# Altium PCB e-puck3-coreboard.PcbDoc (part 6 of 7) (continued)
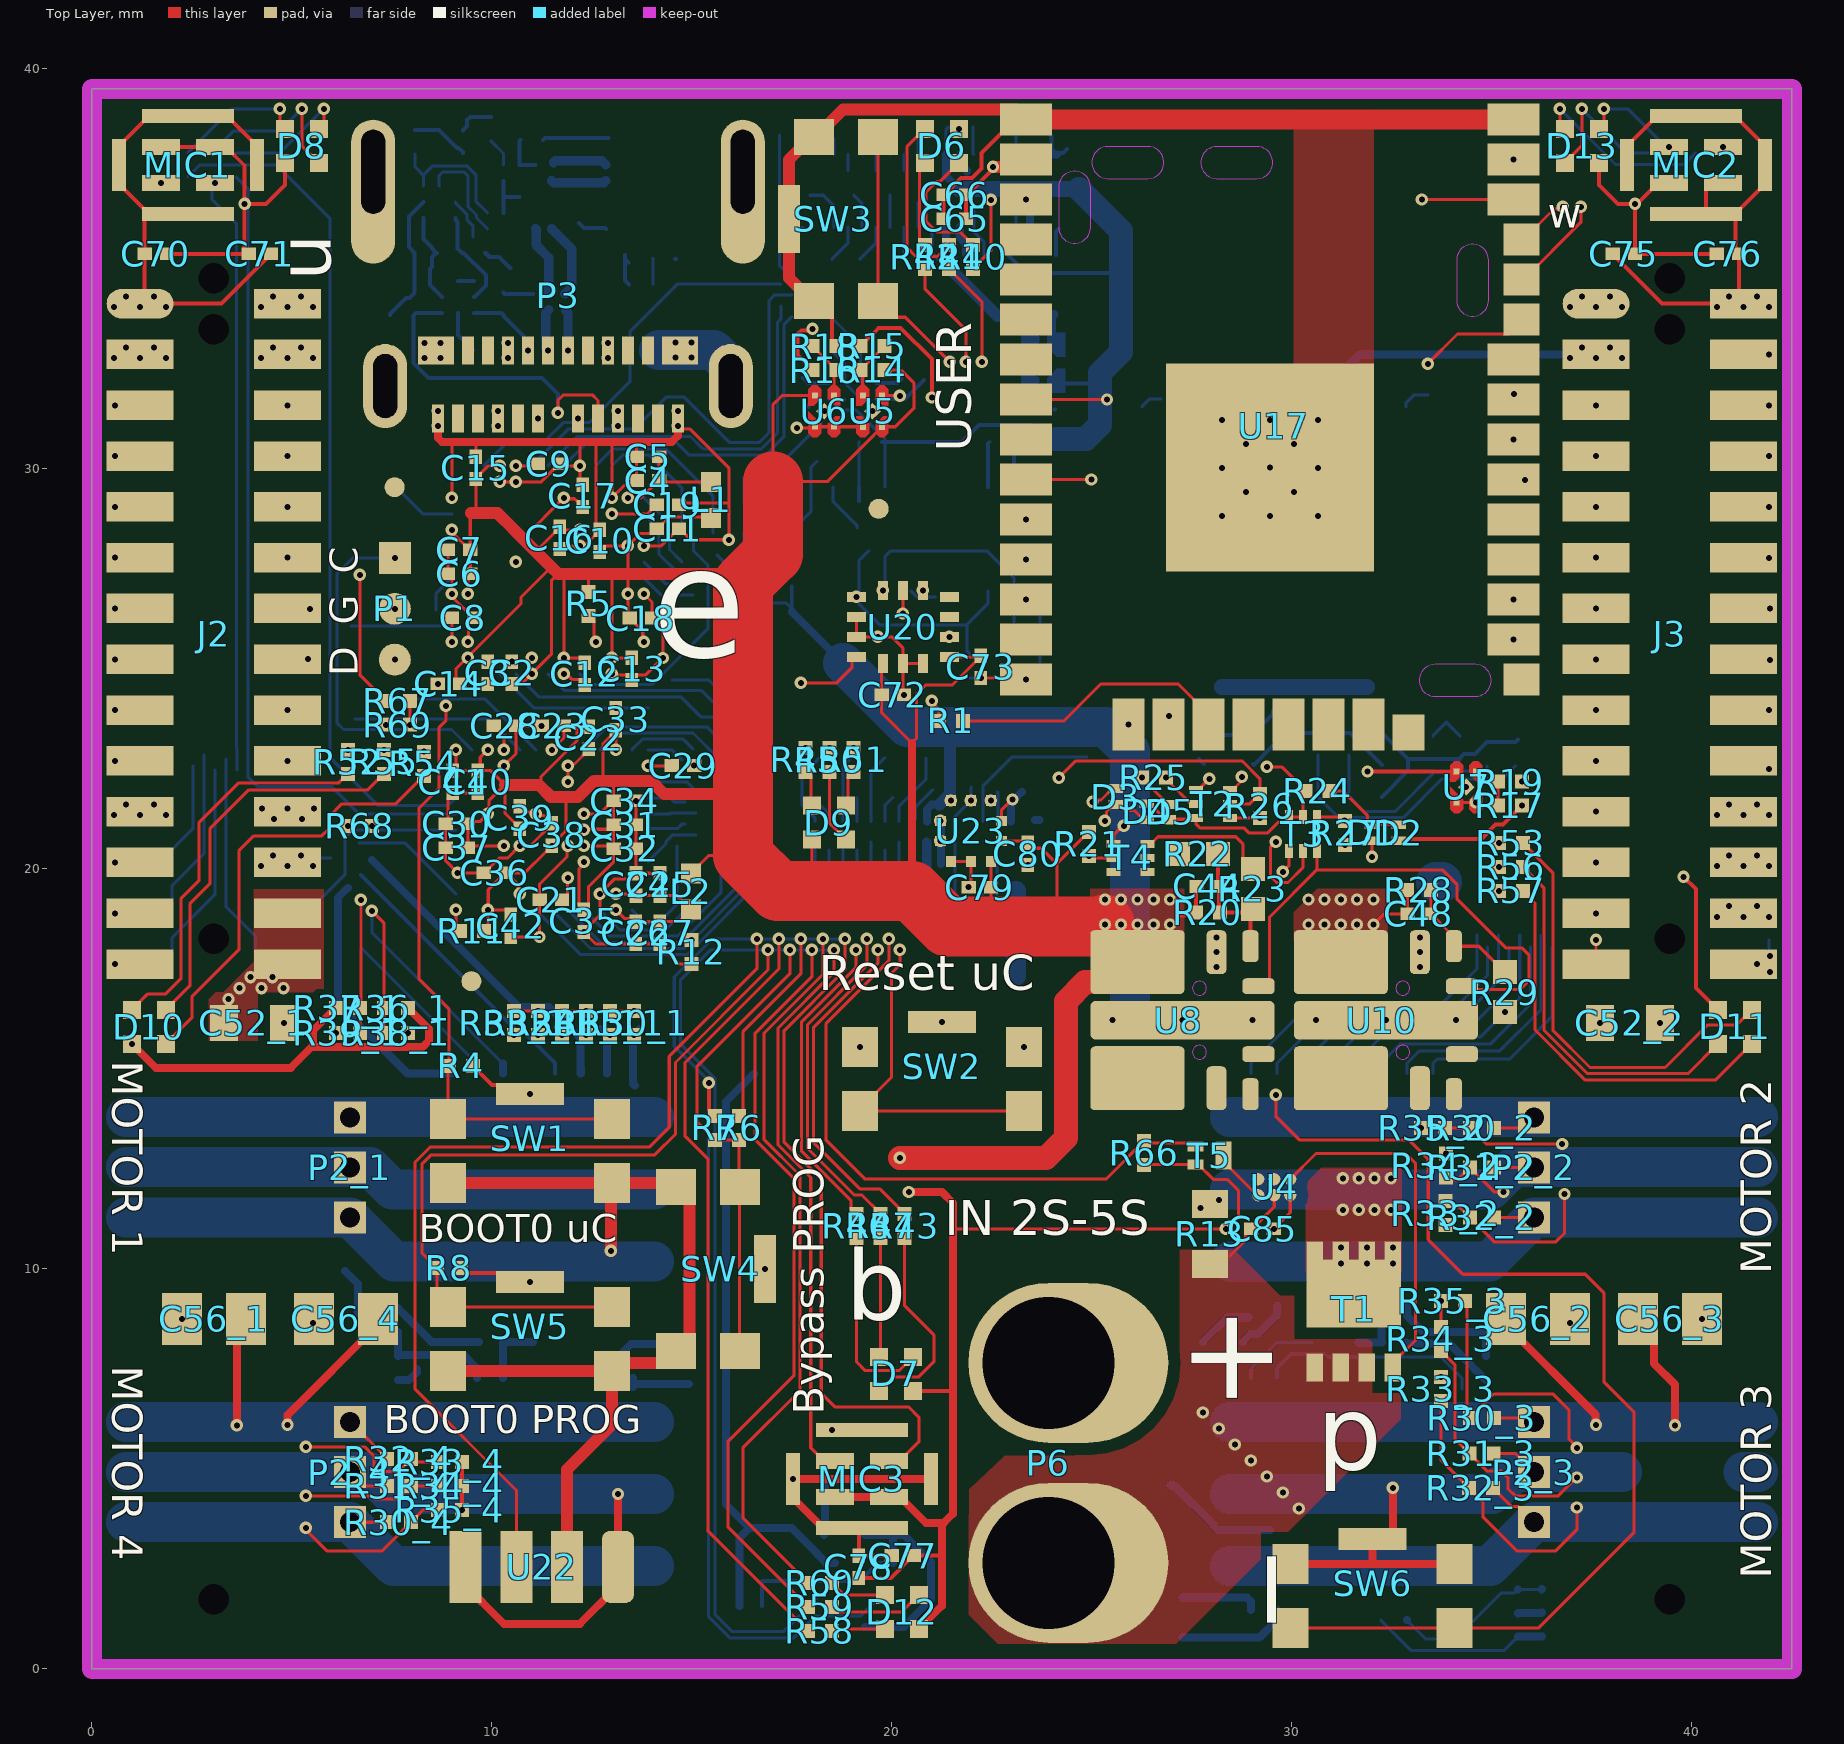
[diagram p0: Top Layer view]
## Nets (pads, with @x,y where several pads share a name; then routed paths per layer and width w, separated by ;. In a path a pad name is that pad's centre, name@x,y a point inside that pad or via, vN(x,y) a via of type N, cw(c..) or ccw(c..) an arc to the next point about the centre after c; other vN are vias at no path point) (continued)
  other v1: 37.25,39
  other v2: 37.25,39
  other v3: 37.25,39
  other v4: 37.25,39
  other v5: 37.25,39
  other v6: 37.25,39
  other v7: 37.25,39
  other v8: 37.25,39
NetD13_3: D13.3 R63.2 | length 4.6
  Top Layer w0.077: v9(36.7,39) 36.7,38.625 D13.3@36.825,38.5
  Bottom Layer w0.077: v9(36.7,39) 38.091,37.609 39.809,37.609 R63.2@40.1,37.9
  other v1: 36.7,39
  other v2: 36.7,39
  other v3: 36.7,39
  other v4: 36.7,39
  other v5: 36.7,39
  other v6: 36.7,39
  other v7: 36.7,39
  other v8: 36.7,39
NetD13_4: D13.4 R62.2 | length 2.7
  Top Layer w0.077: D13.4@37.675,38.5 37.8,38.625 v9(37.8,39)
  Bottom Layer w0.077: v9(37.8,39) 38.4,39 R62.2@39.5,37.9
  other v1: 37.8,39
  other v2: 37.8,39
  other v3: 37.8,39
  other v4: 37.8,39
  other v5: 37.8,39
  other v6: 37.8,39
  other v7: 37.8,39
  other v8: 37.8,39
NetJ1_2: J1.2 R76.1 | length 1.2
  Bottom Layer w0.077: J1.2@21.95,24.775 22.775,24.775 R76.1@23.05,25.05
NetP4_28: P4.28 R80.1 | length 1.1
  Bottom Layer w0.077: P4.28@22.75,36.04 22.75,35.937 23.019,35.668 23.182,35.668 R80.1@23.5,35.35
NetP5_28: P5.28 R78.2 | length 1
  Bottom Layer w0.077: R78.2@21.925,18.525 22.062,18.662 22.062,18.862 22.26,19.06 22.26,19.349 P5.28@22.275,19.365
NetR5_1: R5.1 U1.C10 | length 1.5
  Top Layer w0.077: R5.1@12.421,26.322 12.558,26.185 12.558,25.717 v3(12.6,25.675)
  Bot Mid Layer 2 w0.077: v4(12.599,25.275) v3(12.6,25.675)
  Top GND Plane w0.077: v4(12.599,25.275) v3(12.6,25.675)
  other v1: 12.6,25.675
  other v2: 12.6,25.675
  other v5: 12.599,25.275
  other v6: 12.599,25.275
  other v7: 12.599,25.275
  other v8: 12.599,25.275
  other v9: 12.6,25.675
NetR11_1: R11.1 U3.A11 | length 0.6
  Top Layer w0.077: v10(9.1,18.975) 9.1,18.54 R11.1@9.2,18.44
NetR12_1: R12.1 U3.N11 | length 2.2
  Bot Mid Layer 2 w0.077: v4(13.5,18.975) v3(13.9,18.975)
  Top GND Plane w0.077: v4(13.5,18.975) 14.24,18.975 v9(14.99,18.225)
  other v1: 13.9,18.975
  other v2: 13.9,18.975
  other v5: 13.5,18.975
  other v6: 13.5,18.975
  other v7: 13.5,18.975
  other v8: 13.5,18.975
NetR14_2: R14.2 R15.1 U5.2 | length 1.5
  Top Layer w0.077: U5.2@19.274,31.831 19.274,32.408 R14.2@19.215,32.467 R15.1@19.815,33.067
NetR16_2: R16.2 R18.1 U6.4 | length 1.5
  Top Layer w0.077: R18.1@18.015,33.067 R16.2@18.615,32.467 18.555,32.407 U6.4@18.555,31.832
NetR17_2: R17.2 R19.1 U7.4 | length 1.3
  Top Layer w0.077: U7.4@34.6,22.435 34.898,22.435 R19.1@35.153,22.18 R17.2@35.153,21.58
NetR23_2: R23.2 T4.6 | length 3.3
  Top Layer w0.077: T4.6@26.398,20.622 26.473,20.622 26.653,20.802 28.598,20.802 28.775,20.625 28.775,20.25 R23.2@29.025,20
NetR70_1: R70.1 U16.A4 | length 0.7
  Bottom Layer w0.077: R70.1@9.975,38.2 10.293,37.882 U16.A4@10.293,37.6
NetR71_1: R71.1 U14.A1 | length 0.7
  Bottom Layer w0.1: R71.1@12.175,36.15 12.3,36.025 12.825,36.025 U14.A1@12.85,36
NetR83_1: R83.1 U2.B2 | length 2.8
  Bot Mid Layer 1 w0.077: v2(18.225,31.175) 18.233,31.175 18.808,31.75 v2(18.816,31.75)
  Bottom Layer w0.077: R83.1@16.9,29.8 18.225,31.125 v2(18.225,31.175) ; U2.B2@18.816,31.716 v2(18.816,31.75)
  other v1: 18.225,31.175 18.816,31.75
NetT1_4: T1.4 U4.A1 | length 8.7
  Top Layer w0.077: U4.A1@29.96,12.24 30.605,12.885 32.845,12.885 33.09,12.64 33.09,8.215 T1.4@32.55,7.675
NetT3_3: T3.3 U8.9 U10.9 | length 12.9
  Top Layer w0.077: U8.9@29.165,17.065 29.284,17.065 29.441,17.222 29.441,18.791 30.625,19.975 ; T3.3@30.625,20.45 30.625,19.975 ; U10.9@34.25,17.065 34.327,16.988 35.713,16.988 35.925,17.2 35.925,17.85 35.75,18.025 35.35,18.025 34.125,19.25 34.125,19.614 33.764,19.975 30.625,19.975
NetT5_3: T5.3 U4.C2 | length 1.4
  Top Layer w0.077: T5.3@28.29,12.83 28.29,12.68 29.13,11.84 U4.C2@29.16,11.84
NetU1_H6: U1.H6 U1.J3 | length 1.6
  Bot Mid Layer 3 w0.077: v3(9.8,28.075) 9.8,28.05 10.493,27.357 10.655,27.357 10.973,27.675 v4(11,27.675)
  other v1: 11,27.675 9.8,28.075
  other v2: 11,27.675 9.8,28.075
  other v3: 11,27.675
  other v4: 9.8,28.075
NRST_3: C21.1 U3.H9 | length 0.7
  Top Layer w0.077: C21.1@11.725,19.195 C21.1@11.755,19.225 11.775,19.225 11.896,19.346 11.896,19.771 v10(11.9,19.775)
PE15_3: R9.1 U2.A1 U3.L3 | length 17.6
  Top Mid Layer 1 w0.077: v7(17.775,32.275) 17.775,31.615 17.928,31.461 17.928,25.547 18.275,25.2 18.275,24.168 19.4,23.043 v7(19.4,22.625)
  Bot Mid Layer 2 w0.077: v3(13.1,22.175) v4@13.117,22.157
  Bot Mid Layer 3 w0.077: v3(13.1,22.175) 13.117,22.157 15.382,22.157 16.636,22.157 17.104,22.625 v7(19.4,22.625)
  Bottom Layer w0.1: v7(17.775,32.275) 17.775,32.287 R9.1@17.787,32.275 17.912,32.15 U2.A1@18.416,32.15
  other v1: 13.1,22.175 17.775,32.275
  other v2: 13.1,22.175 17.775,32.275
  other v3: 17.775,32.275
  other v4: 13.1,22.175 17.775,32.275
  other v5: 19.4,22.625 17.775,32.275
  other v6: 19.4,22.625 17.775,32.275
PF0_2: SW3.2 U1.G11 | length 20.3
  Top Layer w0.077: SW3.2@19.65,38.3 SW3.2@19.65,34.2 20.062,33.789 20.336,33.789 v8(21.45,32.675)
  Top Mid Layer 1 w0.077: v7(21.45,27.45) v8(21.45,32.675)
  Bot Mid Layer 3 w0.077: v3(13,27.275) 21.247,27.275 21.422,27.45 v7(21.45,27.45)
  other v1: 13,27.275
  other v2: 13,27.275
  other v4: 13,27.275
  other v5: 21.45,27.45
  other v6: 21.45,27.45
  other v9: 21.45,32.675
PG8_3: R10.1 U2.D2 U3.G2 | length 16.2
  Bot Mid Layer 2 w0.077: v3(12.425,23.525) 14.218,25.318 14.218,25.602 16.14,27.525 17.425,27.525 18.082,28.182 18.632,28.182 18.821,28.371 v3(18.821,28.775)
  Bot Mid Layer 1 w0.077: v2(11.5,22.575) 12.425,23.5 v3(12.425,23.525) ; v3(18.821,28.775) 19.748,29.702 19.748,31.602 20.372,32.225 v2(20.8,32.225)
  Bottom Layer w0.1: U2.D2@19.616,31.75 20.325,31.75 v2(20.8,32.225)
  other v1: 11.5,22.575 20.8,32.225
PH0_2: U1.K12 X1.3 | length 7.6
  Bot Mid Layer 1 w0.077: v2(13.4,28.475) 14.2,29.275 17.376,29.275 17.975,29.874 17.975,30.034 v2(18.125,30.184)
  Bottom Layer w0.077: X1.3@17.499,28.377 17.499,28.452 17.975,28.928 17.975,30.034 v2(18.125,30.184)
  other v1: 13.4,28.475 18.125,30.184
POWER_MANAGEMENT.BAT+_INRUSH_LIMIT_1: R66.2 T5.1 U3.L7 | length 24.1
  Top Layer w0.077: v8(19.925,18.25) 19.925,17.7 18.35,16.125 18.35,13.225 19.332,12.243 25.353,12.243 R66.2@26.31,13.2 26.369,13.141 27.503,13.141 T5.1@27.59,13.055
  Top Mid Layer 2 w0.077: v3(13.1,20.575) 15.575,20.575 15.9,20.25 18.825,20.25 19.925,19.15 v8(19.925,18.25)
  Bot Mid Layer 3 w0.1: v3(13.1,20.575) v5@13.13,20.575
  other v1: 13.1,20.575
  other v2: 13.1,20.575
  other v4: 13.1,20.575
  other v5: 13.1,20.575
  other v6: 13.1,20.575
  other v7: 19.925,18.25
  other v9: 19.925,18.25
POWER_MANAGEMENT.BAT+_SENSE_1: U3.K11 U7.1 U7.2 | length 24.4
  Top Layer w0.077: U7.1@34.12,21.655 v8(34.6,21.655) 34.6,21.552 34.525,21.477
  Bot Mid Layer 1 w0.077: v2(15.097,19.225) 16.582,19.225 17.507,20.15 24.075,20.15 24.45,19.775 28.125,19.775 v4(29.35,21)
  Bot Mid Layer 3 w0.077: v4(29.35,21) 33.945,21 v8(34.6,21.655)
  Bottom Layer w0.077: U3.K11@12.7,18.975 13.204,18.471 14.343,18.471 v2(15.097,19.225)
  other v1: 15.097,19.225
  other v3: 29.35,21
  other v5: 34.6,21.655
  other v6: 34.6,21.655
  other v7: 34.6,21.655
  other v9: 34.6,21.655
POWER_MANAGEMENT.PRIORITY_TO_VBUS_1: R21.2 T4.2 U3.M7 | length 13.1
  Top Layer w0.077: v9(24.925,20.325) 24.978,20.272 T4.2@25.548,20.272
  Top GND Plane w0.077: v3(23.7,20.8) 24.175,20.325 v9(24.925,20.325)
  Bot Mid Layer 1 w0.077: v2(13.5,20.575) 13.75,20.825 14,20.825 14.357,20.468 14.357,20.464 14.597,20.225 15.675,20.225 16.575,21.125 23.4,21.125 23.7,20.825 v3(23.7,20.8)
  other v1: 13.5,20.575
  other v4: 23.7,20.8
  other v5: 23.7,20.8
  other v6: 23.7,20.8
  other v7: 23.7,20.8
  other v8: 23.7,20.8
POWER_MANAGEMENT.PWR_ON_1: R25.1 T2.2 U3.M2 | length 17.5
  Top Layer w0.077: R25.1@26.965,22.2 26.965,22.135 27.45,21.65 27.5,21.65 T2.2@27.525,21.625 ; T2.2@27.475,21.625 T2.2@27.525,21.625 ; T2.2@27.6,21.625 T2.2@27.525,21.625
  Top Mid Layer 1 w0.077: v7@26.6,24.1 v7(26.6,24.05) 26.6,22.565 26.854,22.311 v9(26.854,22.288)
  Bot Mid Layer 1 w0.077: v2(13.5,22.575) 15.871,24.946 20.339,24.946 20.51,25.118 23.845,25.118 24.537,24.425 26.225,24.425 v7(26.6,24.05)
  other v1: 13.5,22.575
  other v3: 26.6,24.05
  other v4: 26.6,24.05
  other v5: 26.6,24.05
  other v6: 26.6,24.05
  other v8: 26.854,22.288
POWER_MANAGEMENT.PWR_ON_DFU_1: R8.1 R27.1 SW5.1 T3.2 U3.C9 | length 47.3
  Top Layer w0.077: SW5.1@13,9.05 SW5.1@8.9,9.05 8.625,9.325 R8.1@8.625,10.025 8.25,10.4 8.25,12.613 8.487,12.85 14.075,12.85 14.59,13.365 14.59,15.16 16.9,17.47 v9(16.9,17.975) ; v9(29.6,20.675) 29.464,20.539 29.464,19.811 29.617,19.658 29.903,19.658 30.275,20.03 T3.2@30.275,20.45 T3.2@30.239,20.486
  Top Mid Layer 1 w0.077: v9(16.9,17.975) v7(16.9,19.15)
  Top GND Plane w0.077: v9(29.6,20.675) 30.394,20.675 30.469,20.6 v9(31.325,20.6)
  Top Mid Layer 2 w0.077: v3(9.9,19.775) 10.625,19.05 11.75,19.05 12.112,18.688 13.863,18.688 14.325,19.15 v7(16.9,19.15)
  Bot Mid Layer 3 w0.077: v9(16.9,17.975) 18.275,19.35 21.565,19.35 22.29,20.075 27.325,20.075 28.296,21.046 28.829,21.046 29.2,20.675 v9(29.6,20.675)
  other v1: 9.9,19.775
  other v2: 9.9,19.775
  other v4: 9.9,19.775
  other v5: 16.9,17.975 9.9,19.775 29.6,20.675
  other v6: 16.9,17.975 9.9,19.775 29.6,20.675
  other v7: 16.9,17.975 29.6,20.675
  other v8: 16.9,17.975 29.6,20.675
POWER_MANAGEMENT.VBUS_SENSE_1: U3.K9 U5.4 U6.1 U6.2 | length 19.4
  Top Layer w0.077: v9(17.625,31.025) 17.656,31.025 17.665,31.015 18.039,31.015 U6.1@18.075,31.052 ; U6.1@18.075,31.052 U5.4@19.274,31.051
  Top Mid Layer 1 w0.077: v9(17.625,31.025) 17.625,25.275 18.121,24.779 18.121,22.722 18.7,22.143 v7(18.7,19.775)
  Top Mid Layer 2 w0.077: v4(12.7,19.775) v7(18.7,19.775)
  other v1: 12.7,19.775
  other v2: 12.7,19.775
  other v3: 12.7,19.775
  other v5: 12.7,19.775
  other v6: 12.7,19.775
  other v8: 17.625,31.025
PRESS_INT_1: U1.K3 U23.7 | length 26.6
  Top Mid Layer 1 w0.077: v7(20.975,30.725) 20.725,30.475 20.725,27.534 19.968,26.778 19.968,24.232 22.343,21.857 22.343,21.268 21.775,20.7 v9(21.212,20.7)
  Bot Mid Layer 3 w0.077: v3(9.8,28.475) 9.474,28.8 9.474,30.428 10.001,30.954 14.18,30.954 14.953,30.182 17.228,30.182 17.771,30.725 v7(20.975,30.725)
  other v1: 9.8,28.475
  other v2: 9.8,28.475
  other v4: 9.8,28.475
  other v5: 20.975,30.725
  other v6: 20.975,30.725
  other v8: 21.212,20.7
PWR_ON_1: R26.1 T2.5 U1.G13 | length 22.9
  Top Layer w0.077: v8(24.175,22.275) 24.6,22.7 28.753,22.7 29.2,22.253 R26.1@29.2,21.875 28.95,21.625 T2.5@28.45,21.625
  Top Mid Layer 1 w0.077: v8(24.175,22.275) 23.841,22.609 23.841,26.041 v7(24.675,26.875)
  Bot Mid Layer 1 w0.077: v2(15.025,26.85) 19.5,26.85 19.718,27.068 21.261,27.068 21.454,26.875 v7(24.675,26.875)
  Bottom Layer w0.077: U1.G13@13.8,27.275 14.225,26.85 v2(15.025,26.85)
  other v1: 15.025,26.85
  other v3: 24.675,26.875
  other v4: 24.675,26.875
  other v5: 24.675,26.875
  other v6: 24.675,26.875
  other v9: 24.175,22.275
REAR_RGB.B_1: R60.1 U1.H9 | length 32.9
  Top Layer w0.077: R60.1@17.9,2.15 16.275,3.775 16.275,5.525 17.704,6.954 17.704,12.332 16.8,13.236 16.8,15.882 18.275,17.357 v9(18.275,18.25)
  Top Mid Layer 1 w0.077: v8(17.025,27.25) 17.15,27.125 17.15,23 18.275,21.875 v9(18.275,18.25)
  Top GND Plane w0.077: v8(12.2,27.675) 16.6,27.675 v8(17.025,27.25)
  other v1: 12.2,27.675
  other v2: 12.2,27.675
  other v3: 12.2,27.675
  other v4: 12.2,27.675
  other v5: 12.2,27.675
  other v6: 12.2,27.675
  other v7: 12.2,27.675
  other v8: 18.275,18.25
REAR_RGB.G_1: R59.1 U1.L7 | length 37.8
  Top Layer w0.077: R59.1@17.9,1.55 15.9,3.55 15.9,5.675 17.55,7.325 17.55,12.268 16.577,13.241 16.577,15.877 18,17.3 v8(18,17.975)
  Top Mid Layer 1 w0.077: v7(15.925,29.325) 15.925,25.675 16.075,25.525 16.075,18.422 16.789,17.707 17.732,17.707 v8(18,17.975)
  Top Mid Layer 2 w0.077: v4(11.4,28.875) 11.4,29.248 11.691,29.538 12.254,29.538 12.562,29.846 14.054,29.846 14.843,29.058 15.657,29.058 v7(15.925,29.325)
  other v1: 11.4,28.875
  other v2: 11.4,28.875
  other v3: 11.4,28.875
  other v5: 11.4,28.875
  other v6: 11.4,28.875
  other v9: 18,17.975
REAR_RGB.R_1: R58.1 U1.N8 | length 45.7
  Top Layer w0.077: v9(17.175,18.25) 17.175,17.498 14.825,15.148 14.825,13.325 15.4,12.75 15.4,3.45 R58.1@17.9,0.95
  Bot Mid Layer 2 w0.077: v4(7.8,29.975) 8.174,30.349 11.125,30.349 v3(11.8,29.675)
  Top Mid Layer 2 w0.077: v6(7.275,19.225) 8.025,19.225 9.354,17.896 14.796,17.896 15.15,18.25 v9(17.175,18.25)
  Bot Mid Layer 3 w0.077: v6(7.275,19.225) 8.026,19.976 8.026,28.649 7.8,28.875 v4(7.8,29.975)
  other v1: 11.8,29.675
  other v2: 11.8,29.675
  other v5: 7.275,19.225
  other v7: 17.175,18.25
  other v8: 17.175,18.25
RIGHT_RGB.B_1: R57.1 U1.P8 | length 42
  Top Mid Layer 1 w0.077: v7(33.875,33.1) 33.875,23.874 34.95,22.798 34.95,21.45 34.753,21.253 34.753,19.872 v9(35.175,19.45)
  Bot Mid Layer 1 w0.077: v2(17.5,33.8) 18.402,33.8 20.275,35.673 v3(20.275,35.7)
  Top Mid Layer 2 w0.077: v3(20.275,35.7) 20.575,36 22.25,36 25.15,33.1 v7(33.875,33.1)
  Bottom Layer w0.077: U1.P8@11.8,30.075 12.379,30.654 14.621,30.654 14.933,30.342 16.842,30.342 17.3,30.8 17.3,33.6 v2(17.5,33.8)
  other v1: 17.5,33.8
  other v4: 20.275,35.7
  other v5: 20.275,35.7
  other v6: 20.275,35.7
  other v8: 35.175,19.45
RIGHT_RGB.G_1: R56.1 U1.K8 | length 36.1
  Top Mid Layer 1 w0.077: v7(34.825,31.042) 34.35,30.567 34.35,24.5 35.125,23.725 35.125,21.25 34.907,21.032 34.907,20.318 v9(35.175,20.05)
  Top GND Plane w0.077: v8(11.8,28.475) 12.063,28.738 12.392,28.738 12.706,28.425 15.1,28.425 v8(16.625,29.95)
  Top Mid Layer 2 w0.077: v8(16.625,29.95) 19.35,29.95 20.442,31.042 v7(34.825,31.042)
  other v1: 11.8,28.475
  other v2: 11.8,28.475
  other v3: 11.8,28.475
  other v4: 11.8,28.475
  other v5: 11.8,28.475
  other v6: 11.8,28.475
  other v7: 11.8,28.475 16.625,29.95
  other v8: 35.175,20.05
RIGHT_RGB.R_1: R53.1 U1.L8 | length 32.8
  Top Mid Layer 1 w0.077: v7(34.625,29.375) 34.625,25.375 35.4,24.6 35.4,20.876 v9(35.175,20.65)
  Top Mid Layer 2 w0.077: v4(11.8,28.875) 11.808,28.875 12.626,29.692 13.573,29.692 14.362,28.903 18.136,28.903 18.404,29.172 34.422,29.172 v7(34.625,29.375)
  other v1: 11.8,28.875
  other v2: 11.8,28.875
  other v3: 11.8,28.875
  other v5: 11.8,28.875
  other v6: 11.8,28.875
  other v8: 35.175,20.65
SDMMC./SD_DETECT_1: SD1.9 U1.M9 | length 24.3
  Bot Mid Layer 3 w0.077: v3(12.2,29.275) 12.208,29.275 12.626,29.692 13.858,29.692 14.446,29.104 18.051,29.104 18.314,29.368 19.607,29.368 20.125,28.85 35.725,28.85 v4@35.75,28.825
  other v1: 35.71,28.865 12.2,29.275
  other v2: 35.71,28.865 12.2,29.275
  other v3: 35.71,28.865
  other v4: 35.71,28.865 12.2,29.275
SDMMC.SDMMC_CK_1: SD1.5 U1.D4 | length 26.7
  Top Mid Layer 1 w0.077: v7(29.55,26.05) v7(29.55,31.75)
  Top Mid Layer 2 w0.077: v4(10.2,26.075) 10.675,25.6 10.675,24.827 10.891,24.611 13.336,24.611 14.775,26.05 v7(29.55,26.05)
  other v1: 10.2,26.075 29.55,31.75
  other v2: 10.2,26.075 29.55,31.75
  other v3: 10.2,26.075 29.55,31.75
  other v4: 29.55,31.75
  other v5: 10.2,26.075 29.55,31.75
  other v6: 10.2,26.075 29.55,31.75
SDMMC.SDMMC_CMD_1: SD1.3 U1.D6 | length 30
  Bot Mid Layer 2 w0.077: v3(31.75,31.55) 31.75,31.522 31.925,31.347 v4(31.925,24.65)
  Bot Mid Layer 3 w0.077: v4(11,26.075) 11.35,25.725 11.35,24.735 11.935,24.149 13.986,24.149 15.112,25.276 18.149,25.276 18.775,24.65 v4(31.925,24.65)
  other v1: 11,26.075 31.75,31.55
  other v2: 11,26.075 31.75,31.55
  other v3: 11,26.075
SDMMC.SDMMC_D0_1: SD1.7 U1.G8 | length 21.1
  Top Mid Layer 1 w0.077: v8(14.5,27.2) 14.5,28.9 v7(15.65,30.05) ; v7(26.65,30.15) 26.65,30.8 27.025,31.175 v7(27.025,32.325)
  Top GND Plane w0.077: v8(11.8,27.275) 11.822,27.253 12.5,27.253 12.596,27.35 14.35,27.35 v8(14.5,27.2)
  Top Mid Layer 2 w0.077: v7(15.65,30.05) 15.65,29.997 16.272,29.374 21.024,29.374 21.8,30.15 v7(26.65,30.15)
  Bottom Layer w0.077: v1@27.09,32.31 27.075,32.325 v7(27.025,32.325) 27.025,32.1 SD1.7@27.35,31.775 ; SD1.7@27.35,31.55 SD1.7@27.35,31.775 ; SD1.7@27.35,31.8 SD1.7@27.35,31.775
  other v1: 11.8,27.275 27.025,32.325
  other v2: 11.8,27.275 27.025,32.325
  other v3: 11.8,27.275 27.025,32.325
  other v4: 11.8,27.275 27.025,32.325
  other v5: 11.8,27.275 27.025,32.325
  other v6: 11.8,27.275 27.025,32.325
  other v7: 11.8,27.275
SDMMC.SDMMC_D1_1: SD1.8 U1.E1 | length 28.2
  Top Mid Layer 1 w0.077: v7@26.25,24.775 26.382,24.907 26.382,31.407 v7(26.725,31.75)
  Top Mid Layer 2 w0.077: v3(9,26.475) 8.992,26.475 8.392,25.875 8.392,25.475 10.025,23.841 13.913,23.841 14.789,24.718 16.407,24.718 16.742,24.383 18.758,24.383 19.175,24.8 v7(26.275,24.8)
  Bottom Layer w0.077: SD1.8@26.25,31.55 26.45,31.75 v7(26.725,31.75)
  other v1: 9,26.475 26.725,31.75
  other v2: 9,26.475 26.725,31.75
  other v3: 26.725,31.75
  other v4: 9,26.475 26.725,31.75
  other v5: 9,26.475 26.725,31.75
  other v6: 9,26.475 26.725,31.75
SDMMC.SDMMC_D2_1: SD1.1 U1.B4 | length 31.7
  Bot Mid Layer 2 w0.077: v3(33.95,25.3) v3(33.95,31.55)
  Bot Mid Layer 1 w0.077: v2(10.2,25.275) 10.446,25.029 10.446,24.839 11.293,23.991 12.726,23.991 13.052,23.666 13.938,23.666 15.923,25.652 20.524,25.652 20.75,25.426 24.5,25.426 24.625,25.3 v3(33.95,25.3)
  other v1: 10.2,25.275 33.95,31.55
  other v2: 33.95,31.55
SDMMC.SDMMC_D3_1: SD1.2 U1.C4 | length 31.7
  Top Mid Layer 1 w0.077: v7(33.4,25.775) 33.721,26.096 33.721,31.529 v7(33.4,31.85)
  Top Mid Layer 2 w0.077: v3(10.2,25.675) 10.2,24.95 10.693,24.457 13.4,24.457 14.718,25.775 v7(33.4,25.775)
  Bottom Layer w0.077: SD1.2@32.85,31.55 32.85,31.639 33.061,31.85 v7(33.4,31.85)
  other v1: 10.2,25.675 33.4,31.85
  other v2: 10.2,25.675 33.4,31.85
  other v3: 33.4,31.85
  other v4: 10.2,25.675 33.4,31.85
  other v5: 10.2,25.675 33.4,31.85
  other v6: 10.2,25.675 33.4,31.85
SPI1.MISO_1: J3.17 J5.37 U1.C6 | length 29.2
  Bot Mid Layer 3 w0.077: v3(11,25.675) 10.737,25.411 10.737,24.766 11.507,23.995 14.049,23.995 15.175,25.122 17.953,25.122 18.607,24.468 29.461,24.468 29.721,24.207 37.37,24.207 v9(37.608,23.969)
  other v1: 37.608,23.969 11,25.675
  other v2: 37.608,23.969 11,25.675
  other v3: 37.608,23.969
  other v4: 37.608,23.969 11,25.675
  other v5: 37.608,23.969
  other v6: 37.608,23.969
  other v7: 37.608,23.969
  other v8: 37.608,23.969
SPI1.MOSI_1: J3.15 J5.39 U1.E7 | length 27.6
  Top Mid Layer 2 w0.077: v4(11.4,26.475) 11.976,25.899 12.86,25.899 13.207,26.246 13.996,26.246 14.746,26.996 19.729,26.996 20.354,26.371 36.473,26.371 v4(37.608,25.235)
  other v1: 37.608,25.235 11.4,26.475
  other v2: 37.608,25.235 11.4,26.475
  other v3: 37.608,25.235 11.4,26.475
  other v5: 37.608,25.235 11.4,26.475
  other v6: 37.608,25.235 11.4,26.475
  other v7: 37.608,25.235
  other v8: 37.608,25.235
  other v9: 37.608,25.235
SPI1.SCK_1: J3.19 J5.35 U1.B7 | length 29.9
  Bot Mid Layer 2 w0.077: v3(36.65,25.58) 36.65,23.658 v9(37.608,22.699)
  Bot Mid Layer 1 w0.077: v2(11.405,25.275) 11.405,24.897 12.003,24.299 13.451,24.299 14.957,25.806 20.588,25.806 20.814,25.58 v3(36.65,25.58)
  other v1: 37.608,22.699 11.405,25.275
  other v2: 37.608,22.699
  other v3: 37.608,22.699
  other v4: 37.608,22.699
  other v5: 37.608,22.699
  other v6: 37.608,22.699
  other v7: 37.608,22.699
  other v8: 37.608,22.699
SPI2.MISO_1: U1.N3 U20.1 U23.5 | length 33.3
  Top Mid Layer 1 w0.077: v9(21.475,21.712) 20.351,22.836 20.236,22.836 19.113,23.959 v9(19.113,26.8) 19.113,27.213 19.25,27.35 19.25,29.85 19.397,29.997 19.397,34.472 20.793,35.868 22.307,35.868 22.4,35.775 v7(22.4,35.275)
  Bot Mid Layer 1 w0.077: v2(9.8,29.675) 9.8,30.048 10.091,30.338 11.013,30.338 14.094,33.419 15.356,33.419 15.55,33.225 19.075,33.225 20.625,34.775 21.375,34.775 21.875,35.275 v7(22.4,35.275)
  other v1: 9.8,29.675
  other v3: 22.4,35.275
  other v4: 22.4,35.275
  other v5: 22.4,35.275
  other v6: 22.4,35.275
  other v8: 21.475,21.712 19.113,26.8
SPI2.MOSI_1: U1.N2 U20.14 U23.4 | length 31.5
  Top Mid Layer 1 w0.077: v9(21.975,21.712) 21.975,22 19.775,24.2 v9(19.775,26.962) 20.45,27.637 20.45,31.125 21.025,31.7 21.025,34.45 v7(22.125,35.55)
  Bot Mid Layer 1 w0.077: v2(9.4,29.675) 9.4,30.025 13.325,33.95 16.7,33.95 17.117,33.533 18.971,33.533 21.032,35.593 22.082,35.593 v7(22.125,35.55)
  other v1: 9.4,29.675
  other v3: 22.125,35.55
  other v4: 22.125,35.55
  other v5: 22.125,35.55
  other v6: 22.125,35.55
  other v8: 21.975,21.712 19.775,26.962
SPI2.SCK_1: U1.B5 U20.13 U23.2 | length 23.8
  Top Layer w0.077: v9(20.275,26.38) U20.13@20.275,26.962 ; U23.2@22.737,21.2 22.737,21.461 v9(23.013,21.737)
  Top Mid Layer 1 w0.077: v9(20.275,26.38) 20.275,25.655 23.013,22.917 v9(23.013,21.737)
  Bot Mid Layer 2 w0.077: v3(14.9,25.225) 15.725,24.4 15.725,23.4 v4(16.125,23)
  Bot Mid Layer 1 w0.077: v2(10.6,25.275) 10.6,24.902 11.357,24.145 13.514,24.145 14.594,25.225 v3(14.9,25.225)
  Top Mid Layer 2 w0.077: v4(16.125,23) 16.65,22.475 18.403,22.475 18.772,22.845 18.772,23.136 18.962,23.325 21.925,23.325 23.013,22.237 v9(23.013,21.737)
  other v1: 10.6,25.275
  other v5: 16.125,23
  other v6: 16.125,23
  other v7: 23.013,21.737
  other v8: 23.013,21.737 20.275,26.38
SPI3.MISO_1: U1.D8 U17.31 | length 32.7
  Bot Mid Layer 2 w0.077: v4(34.593,24.936) 34.593,30.918 v9(35.55,31.875)
  Bot Mid Layer 3 w0.077: v4(11.8,26.075) 11.525,25.8 11.525,24.777 11.999,24.303 13.922,24.303 15.048,25.43 18.295,25.43 18.797,24.928 34.585,24.928 v4(34.593,24.936)
  other v1: 11.8,26.075
  other v2: 11.8,26.075
  other v3: 11.8,26.075
  other v4: 35.55,31.875
  other v5: 35.55,31.875
  other v6: 35.55,31.875
  other v7: 35.55,31.875
  other v8: 35.55,31.875
SPI3.MOSI_1: U1.J7 U17.37 | length 37.7
  Top Mid Layer 1 w0.077: v8(15.65,26.05) 15.65,29.525 v7(16.075,29.95) ; v7(35.1,30.375) 35.1,37.285 v8@35.54,37.725
  Top GND Plane w0.077: v8(11.4,28.075) 10.978,27.653 10.978,26.7 11.629,26.05 v8(15.65,26.05)
  Top Mid Layer 2 w0.077: v7(16.075,29.95) 16.075,29.904 16.45,29.528 20.603,29.528 21.492,30.418 35.058,30.418 v7(35.1,30.375)
  other v1: 11.4,28.075
  other v2: 11.4,28.075
  other v3: 11.4,28.075
  other v4: 11.4,28.075
  other v5: 11.4,28.075
  other v6: 11.4,28.075
  other v7: 11.4,28.075
  other v8: 35.54,37.73
  other v9: 35.54,37.73
SPI3.SCK_1: U1.E8 U17.30 | length 28.4
  Top Mid Layer 1 w0.077: v7(35.05,26.725) 35.05,29.45 35.54,29.94 v8@35.54,30.725
  Top Mid Layer 2 w0.077: v4(11.8,26.475) 12.222,26.053 12.653,26.053 13.125,26.525 13.975,26.525 14.6,27.15 20.132,27.15 20.75,26.532 34.857,26.532 v7(35.05,26.725)
  other v1: 11.8,26.475
  other v2: 11.8,26.475
  other v3: 11.8,26.475
  other v5: 11.8,26.475
  other v6: 11.8,26.475
  other v8: 35.54,30.73
  other v9: 35.54,30.73
SPI4.MISO_1: J2.25 J4.29 U1.D12 | length 19.5
  Bot Mid Layer 2 w0.077: v3(2.8,22.85) 2.8,23.807 3.564,24.571 7.307,24.571 8.071,23.807 12.307,23.807 14.064,25.564 14.064,25.784 13.773,26.075 v3(13.4,26.075)
  Bottom Layer w0.077: J4.29@1.209,18.885 1.678,18.885 2.008,19.215 2.008,19.585 2.8,20.377 v3(2.8,22.85)
  other v1: 0.575,18.889 2.8,22.85 13.4,26.075
  other v2: 0.575,18.889 2.8,22.85 13.4,26.075
  other v3: 0.575,18.889
  other v4: 0.575,18.889
  other v5: 0.575,18.889
  other v6: 0.575,18.889
  other v7: 0.575,18.889
  other v8: 0.575,18.889
  other v9: 0.575,18.889
SPI4.MOSI_1: J2.23 J4.31 U1.E11 | length 27.6
  Bot Mid Layer 2 w0.077: v4(2.513,30.812) 12.599,30.812 14.275,29.136 14.275,26.977 13.773,26.475 v3(13,26.475)
  Bot Mid Layer 3 w0.077: v4(2.513,30.812) 2.513,22.587 v3(2.525,22.575)
  Bottom Layer w0.077: J4.31@1.209,20.155 1.678,20.155 2.525,21.002 v3(2.525,22.575)
  other v1: 0.575,20.159 2.525,22.575 13,26.475
  other v2: 0.575,20.159 2.525,22.575 13,26.475
  other v3: 0.575,20.159
  other v4: 0.575,20.159 2.525,22.575
  other v5: 0.575,20.159
  other v6: 0.575,20.159
  other v7: 0.575,20.159
  other v8: 0.575,20.159
  other v9: 0.575,20.159
SPI4.SCK_1: J2.27 J4.27 U1.E10 | length 17.4
  Top Mid Layer 1 w0.077: v7(8.45,24.475) 9.55,24.475 10.625,25.55 11.675,25.55 v4(12.6,26.475)
  Top Mid Layer 2 w0.077: v4(3.075,22.475) 3.075,22.953 3.397,23.275 5.664,23.275 6.864,24.475 v7(8.45,24.475)
  Bottom Layer w0.077: J4.27@1.209,17.615 1.678,17.615 2.008,17.945 2.008,18.283 3.075,19.35 v4(3.075,22.475)
  other v1: 0.575,17.619 3.075,22.475 12.6,26.475
  other v2: 0.575,17.619 3.075,22.475 12.6,26.475
  other v3: 0.575,17.619 3.075,22.475 12.6,26.475
  other v4: 0.575,17.619
  other v5: 0.575,17.619 3.075,22.475 12.6,26.475
  other v6: 0.575,17.619 3.075,22.475 12.6,26.475
  other v7: 0.575,17.619 12.6,26.475
  other v8: 0.575,17.619
  other v9: 0.575,17.619
SPI_BUS_prog.MISO_1: J4.30 U3.A6 | length 6.1
  Bottom Layer w0.077: J4.30@4.422,18.885 J4.30@4.892,18.885 5.361,18.885 6.325,19.849 6.325,20.775 6.525,20.975 8.49,20.975 U3.A6@9.1,20.975
SPI_BUS_prog.MOSI_1: J4.28 U3.F6 | length 16.3
  Top Mid Layer 1 w0.077: v7(7.85,22.75) 7.85,21.475 9.05,20.275 10.773,20.275 11.082,20.585 11.082,20.957 v7(11.1,20.975)
  Top Mid Layer 2 w0.077: v4(3.35,22.75) 3.575,22.975 5.825,22.975 6.092,22.707 7.807,22.707 v7(7.85,22.75)
  Bottom Layer w0.077: v4(3.35,22.75) 3.35,19.057 4.092,18.315 4.092,17.945 4.422,17.615 J4.28@4.892,17.615
  other v1: 11.1,20.975 3.35,22.75
  other v2: 11.1,20.975 3.35,22.75
  other v3: 11.1,20.975 3.35,22.75
  other v4: 11.1,20.975
  other v5: 11.1,20.975 3.35,22.75
  other v6: 11.1,20.975 3.35,22.75
SPI_BUS_prog.SCK_1: J4.32 U3.D6 | length 6.2
  Top Mid Layer 2 w0.077: v4(5.975,20.275) 6.45,20.75 10.075,20.75 v4(10.3,20.975)
  Bottom Layer w0.077: J4.32@4.422,20.155 J4.32@4.892,20.155 5.012,20.275 v4(5.975,20.275)
  other v1: 5.975,20.275 10.3,20.975
  other v2: 5.975,20.275 10.3,20.975
  other v3: 5.975,20.275 10.3,20.975
  other v5: 5.975,20.275 10.3,20.975
  other v6: 5.975,20.275 10.3,20.975
STATUS1_RGB.B_1: R47.1 U3.B5 | length 24.4
  Top Layer w0.077: v8(19.375,18.25) 19.375,17.586 17.892,16.102 17.892,13.016 19.061,11.846 19.249,11.846 R47.1@19.72,11.375
  Bot Mid Layer 1 w0.077: v2(9.5,21.375) 9.254,21.129 8.951,21.129 8.066,20.245 8.066,18.547 9.292,17.321 16.696,17.321 17.925,18.55 19.075,18.55 v8(19.375,18.25)
  other v1: 9.5,21.375
  other v3: 19.375,18.25
  other v4: 19.375,18.25
  other v5: 19.375,18.25
  other v6: 19.375,18.25
  other v7: 19.375,18.25
  other v9: 19.375,18.25
STATUS1_RGB.G_1: R46.1 U3.B4 | length 23.8
  Top Layer w0.077: v8(19.1,17.975) 19.1,17.528 17.738,16.166 17.738,12.952 18.975,11.714 18.975,11.52 R46.1@19.12,11.375
  Bot Mid Layer 1 w0.077: v2(9.5,21.775) 9.008,21.283 8.887,21.283 7.912,20.309 7.912,18.483 9.228,17.167 17.174,17.167 17.714,17.707 18.832,17.707 v8(19.1,17.975)
  other v1: 9.5,21.775
  other v3: 19.1,17.975
  other v4: 19.1,17.975
  other v5: 19.1,17.975
  other v6: 19.1,17.975
  other v7: 19.1,17.975
  other v9: 19.1,17.975